# Altium PCB m-BLANC.PcbDoc (part 14 of 15) (continued)
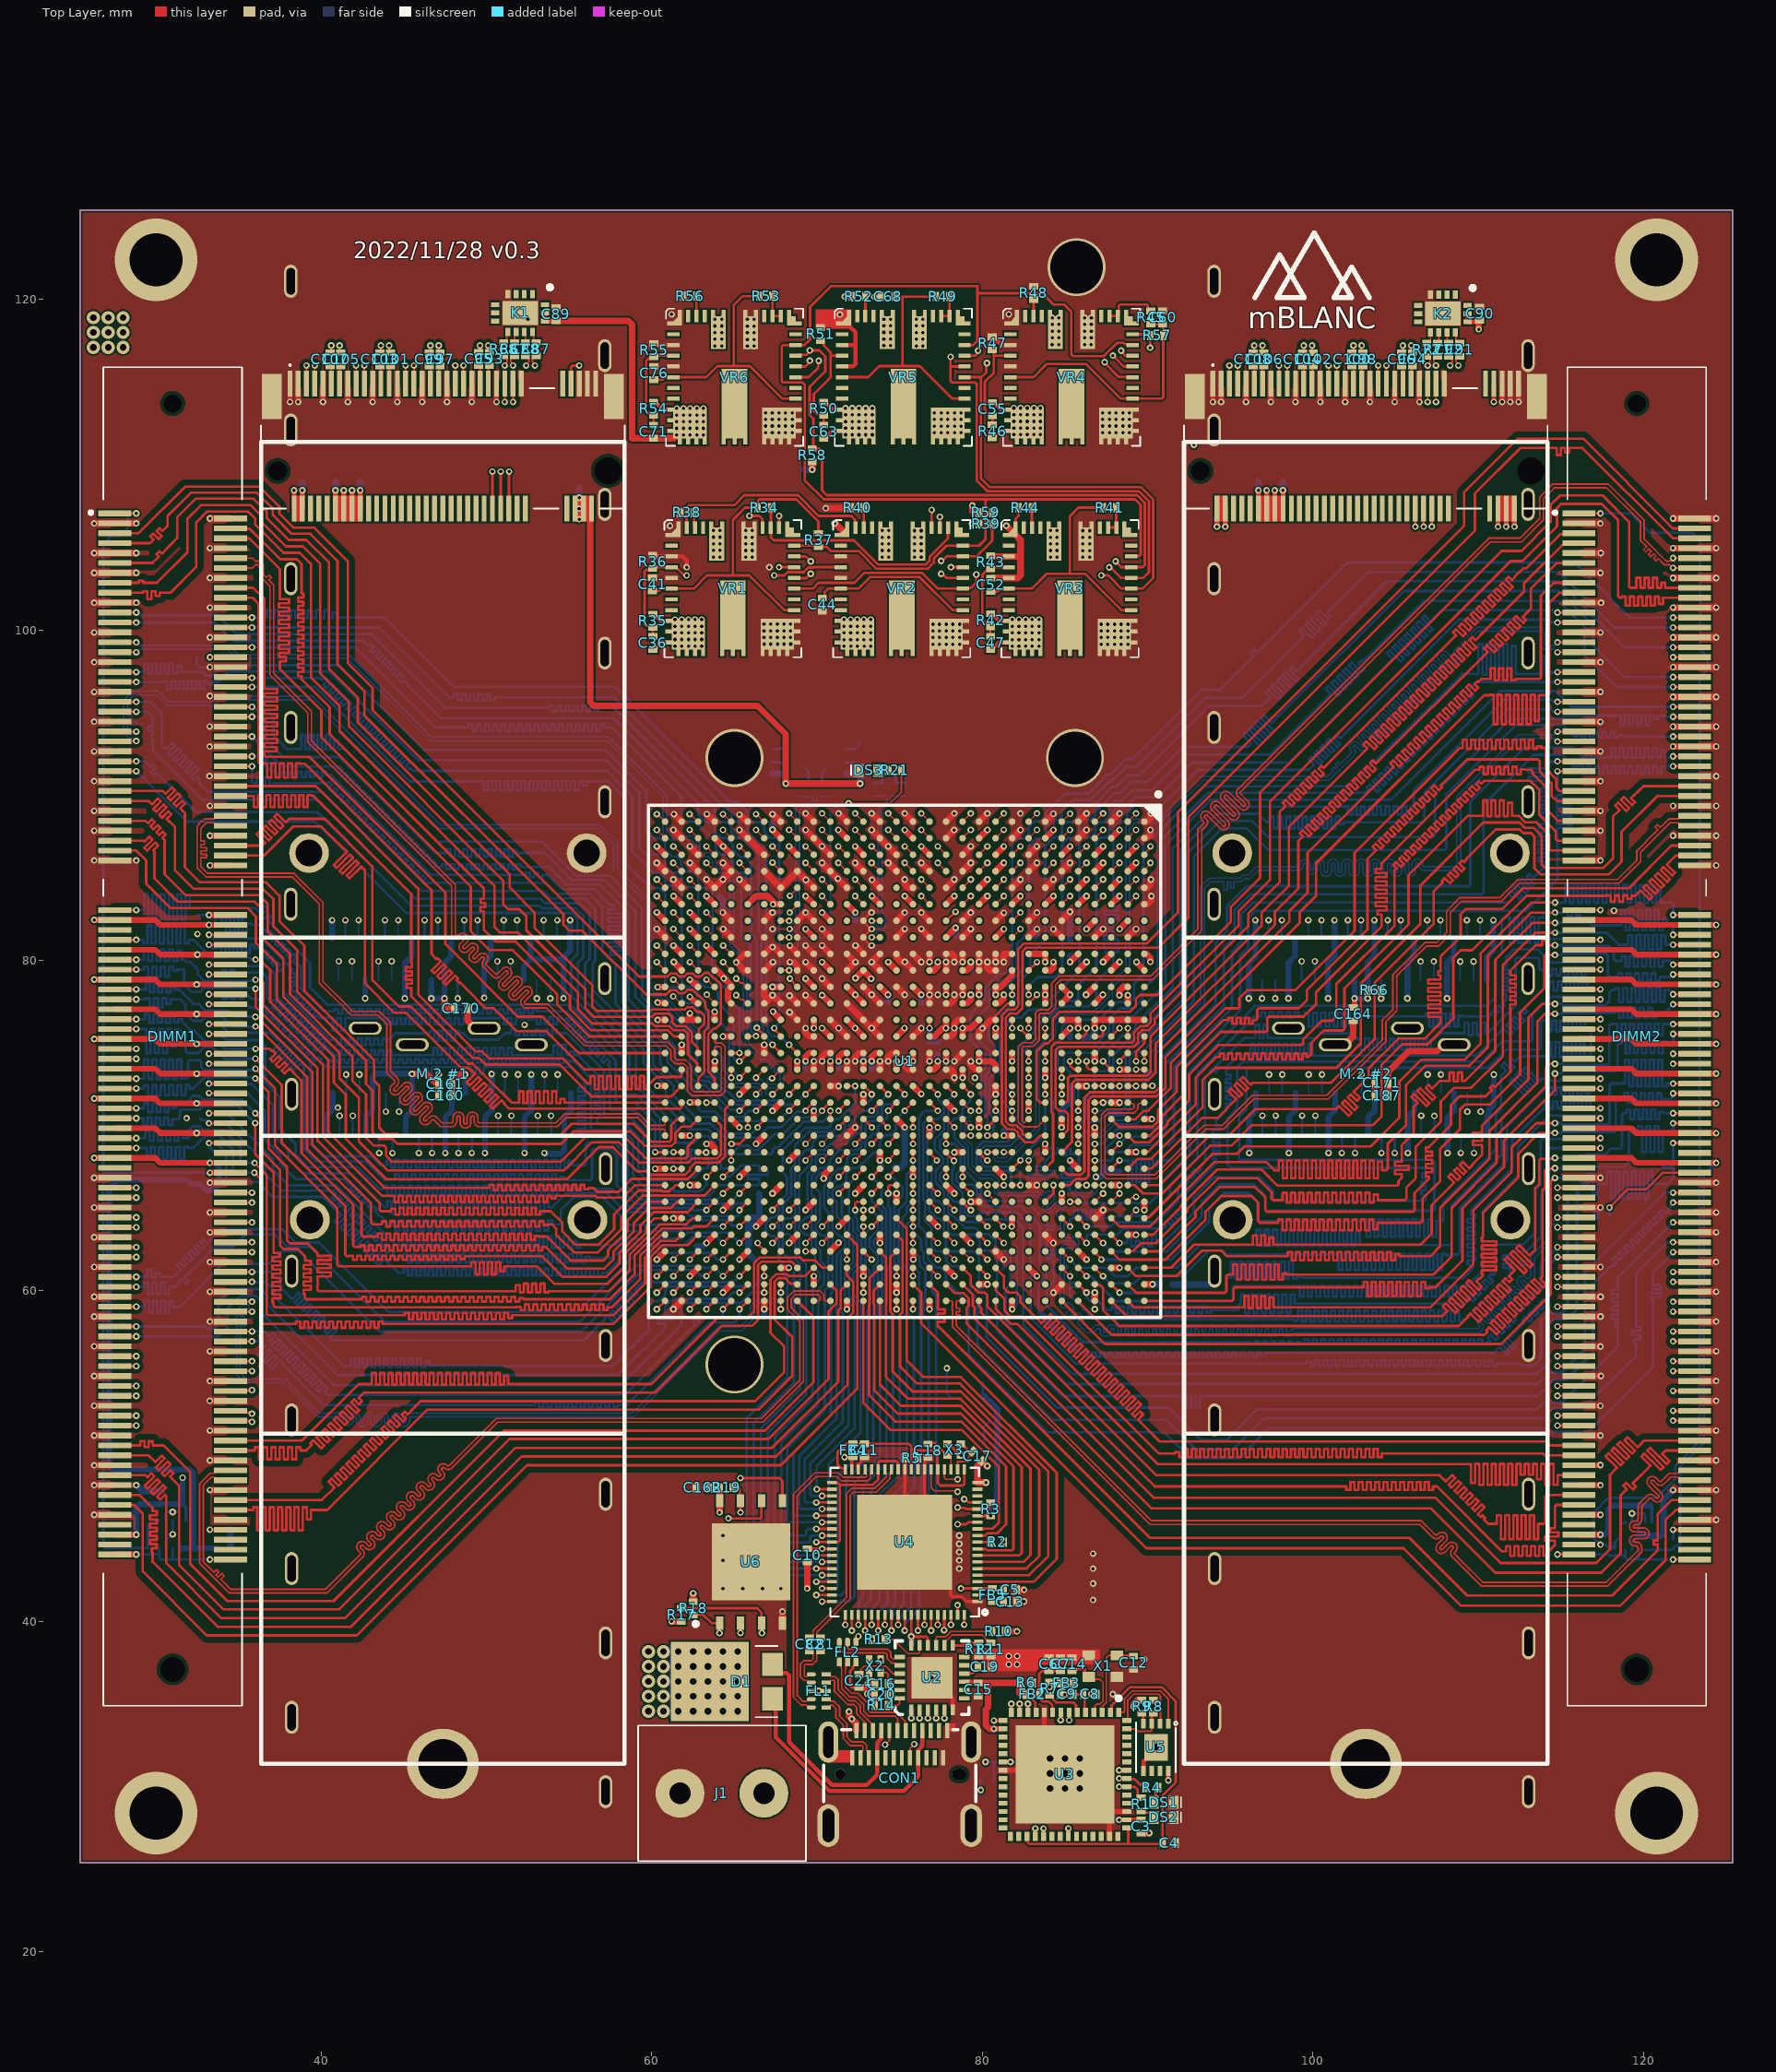
[diagram p0: Top Layer view]
## Nets (pads, with @x,y where several pads share a name; then routed paths per layer and width w, separated by ;. In a path a pad name is that pad's centre, name@x,y a point inside that pad or via, vN(x,y) a via of type N, cw(c..) or ccw(c..) an arc to the next point about the centre after c; other vN are vias at no path point) (continued)
  Bottom Layer w0.1: 41.5,71.98 v1(41.5,73.1)
QSFP4_RX2_P: "QSFP+ #4.22" U1.AG12 | length 38.8
  Top Layer w0.1: v1(63.325,77.936) 63.325,77.905 63.8,77.43 U1.AG12@63.8,77.4
  InLayer2 (Signal) w0.1: v1(42.3,73.1) 42.243,73.157 42.08,73.157 42.012,73.225 42.012,73.439 42.071,73.498 42.957,73.498 43.277,73.177 43.454,73 43.302,72.849 43.444,72.707 43.595,72.859 43.827,72.627 45.099,71.356 45.099,70.867 45.099,70.658 45.289,70.468 45.98,70.468 45.98,70.268 44.59,70.268 44.458,70.136 44.458,69.749 44.59,69.618 45.907,69.618 45.907,69.418 45.04,69.418 44.908,69.286 44.908,68.899 45.04,68.768 45.099,68.709 45.099,68.421 45.099,67.959 45.293,67.764 51.4,67.764 54.101,67.764 58.64,72.303 58.64,73.065 61.725,76.15 61.725,76.72 62.203,77.198 62.573,77.198 62.975,77.6 62.975,78.081 63.169,78.275 63.252,78.275 63.311,78.216 63.311,77.95 v1(63.325,77.936)
  Bottom Layer w0.1: 42.3,71.98 v1(42.3,73.1)
QSFP4_RX3_N: "QSFP+ #4.14" U1.AF9 | length 36.4
  Top Layer w0.1: v1(64.316,80.9) 64.316,80.892 64.8,80.408 U1.AF9@64.8,80.4
  InLayer2 (Signal) w0.1: v1(44.3,68.35) 44.243,68.293 44.08,68.293 44.013,68.225 44.013,67.557 44.053,67.516 44.071,67.499 44.169,67.499 44.401,67.499 44.591,67.308 44.591,67.28 44.791,67.28 44.791,67.422 44.923,67.554 45.309,67.554 45.441,67.422 45.441,67.254 45.641,67.254 45.641,67.422 45.773,67.554 46.159,67.554 46.291,67.422 46.291,67.254 46.491,67.254 46.491,67.422 46.623,67.554 47.009,67.554 47.141,67.422 47.141,67.254 47.341,67.254 47.341,67.422 47.473,67.554 47.859,67.554 47.991,67.422 47.991,67.254 48.191,67.254 48.191,67.422 48.323,67.554 48.709,67.554 48.841,67.422 48.841,67.254 49.041,67.254 49.041,67.422 49.173,67.554 49.559,67.554 49.691,67.422 49.691,67.254 49.891,67.254 49.891,67.422 50.023,67.554 50.409,67.554 50.541,67.422 50.541,67.254 50.741,67.254 50.741,67.422 50.873,67.554 51.259,67.554 51.391,67.422 51.391,67.254 51.591,67.254 51.591,67.308 51.782,67.499 51.991,67.499 53.5,67.499 54.313,67.499 59.159,72.345 59.159,73.155 62.68,76.677 62.68,77.022 63.136,77.477 63.377,77.477 63.741,77.841 63.741,79.173 63.664,79.25 63.34,79.25 63.15,79.44 63.15,80.322 63.34,80.513 63.626,80.513 63.676,80.513 63.676,80.796 63.876,80.796 63.876,80.513 64,80.513 64.257,80.513 64.316,80.571 v1(64.316,80.9)
  Bottom Layer w0.1: v1(44.3,68.35) 44.3,69.48
QSFP4_RX3_P: "QSFP+ #4.15" U1.AF10 | length 36.3
  Top Layer w0.1: v1(64.316,79.9) 64.316,79.892 64.8,79.408 U1.AF10@64.8,79.4
  InLayer2 (Signal) w0.1: v1(43.5,68.35) 43.557,68.293 43.72,68.293 43.787,68.225 43.787,67.464 43.978,67.274 44.053,67.274 44.169,67.274 44.308,67.274 44.366,67.215 44.366,67.187 44.498,67.055 44.884,67.055 45.016,67.187 45.016,67.329 45.216,67.329 45.216,67.161 45.348,67.029 45.734,67.029 45.866,67.161 45.866,67.329 46.066,67.329 46.066,67.161 46.198,67.029 46.584,67.029 46.716,67.161 46.716,67.329 46.916,67.329 46.916,67.161 47.048,67.029 47.434,67.029 47.566,67.161 47.566,67.329 47.766,67.329 47.766,67.161 47.898,67.029 48.284,67.029 48.416,67.161 48.416,67.329 48.616,67.329 48.616,67.161 48.748,67.029 49.134,67.029 49.266,67.161 49.266,67.329 49.466,67.329 49.466,67.161 49.598,67.029 49.984,67.029 50.116,67.161 50.116,67.329 50.316,67.329 50.316,67.161 50.448,67.029 50.834,67.029 50.966,67.161 50.966,67.329 51.166,67.329 51.166,67.161 51.298,67.029 51.684,67.029 51.816,67.161 51.816,67.215 51.875,67.274 51.991,67.274 52.7,67.274 52.95,67.274 52.95,67.204 53.15,67.204 53.15,67.274 53.5,67.274 54.406,67.274 59.384,72.252 59.384,73.062 62.905,76.584 62.905,76.929 63.229,77.252 63.471,77.252 63.966,77.748 63.966,79.266 63.757,79.475 63.434,79.475 63.375,79.534 63.375,80.229 63.434,80.288 63.626,80.288 64.236,80.288 64.295,80.229 64.295,79.921 v1(64.316,79.9)
  Bottom Layer w0.1: v1(43.5,68.35) 43.5,69.48
QSFP4_RX4_N: "QSFP+ #4.24" U1.AE11 | length 39.5
  Top Layer w0.1: v1(65.102,78.9) 65.373,78.63 65.535,78.63 65.764,78.4 U1.AE11@65.8,78.4
  InLayer2 (Signal) w0.1: v1(43.9,70.85) 43.957,70.907 44.12,70.907 44.187,70.975 44.187,71.357 43.965,71.58 42.991,71.58 42.72,71.309 42.72,70.805 42.72,70.689 42.779,70.63 42.913,70.63 43.044,70.499 43.044,70.112 42.913,69.98 42.365,69.98 42.365,69.78 42.53,69.78 42.72,69.59 42.72,69.315 42.72,69.084 42.933,69.084 42.933,68.884 42.72,68.884 42.72,68.684 42.933,68.684 42.933,68.484 42.72,68.484 42.72,68.284 42.933,68.284 42.933,68.084 42.72,68.084 42.72,67.88 42.766,67.834 43.771,66.829 54.382,66.829 59.7,72.147 59.7,72.773 61.413,74.485 61.88,74.485 62.15,74.755 62.15,75.229 63.471,76.55 63.945,76.55 64.15,76.755 64.15,77.35 64.399,77.599 64.399,78.247 64.665,78.513 64.986,78.513 65.045,78.571 65.045,78.843 v1(65.102,78.9)
  Bottom Layer w0.1: v1(43.9,70.85) 43.9,71.98
QSFP4_RX4_P: "QSFP+ #4.25" U1.AE12 | length 39.6
  Top Layer w0.1: v1(65.102,77.9) 65.373,77.63 65.535,77.63 65.764,77.4 U1.AE12@65.8,77.4
  InLayer2 (Signal) w0.1: v1(44.7,70.85) 44.643,70.907 44.48,70.907 44.412,70.975 44.412,71.451 44.058,71.805 43.708,71.805 43.429,71.805 43.429,71.877 43.229,71.877 43.229,71.805 43.179,71.805 42.898,71.805 42.495,71.403 42.495,70.805 42.495,70.596 42.686,70.405 42.819,70.405 42.819,70.205 42.272,70.205 42.14,70.074 42.14,69.687 42.272,69.555 42.437,69.555 42.495,69.497 42.495,69.315 42.495,67.786 43.678,66.604 54.476,66.604 59.925,72.053 59.925,72.679 61.506,74.26 61.974,74.26 62.375,74.662 62.375,75.135 63.565,76.325 64.038,76.325 64.375,76.662 64.375,77.257 64.624,77.506 64.624,78.153 64.759,78.288 64.986,78.288 65.045,78.229 65.045,77.957 v1(65.102,77.9) v1@65.045,77.843
  Bottom Layer w0.1: v1(44.7,70.85) 44.7,71.98
QSFP4_TX1_N: "QSFP+ #4.37" U1.AJ11 | length 36.8
  Top Layer w0.1: v1(61.299,78.838) 61.33,78.838 61.768,78.4 U1.AJ11@61.8,78.4
  InLayer2 (Signal) w0.1: v1(54.3,73.1) 54.243,73.043 54.08,73.043 54.013,72.975 54.013,72.799 53.186,71.973 53.113,71.9 53.07,71.9 53.011,71.841 53.011,71.233 52.88,71.101 52.493,71.101 52.361,71.233 52.361,72.523 52.161,72.523 52.161,71.082 52.03,70.95 51.643,70.95 51.511,71.082 51.511,72.093 51.311,72.093 51.311,72.09 51.121,71.9 51.119,71.9 50.91,71.9 49.6,71.9 48.772,71.9 48.772,71.747 48.572,71.747 48.572,71.9 48.372,71.9 48.372,71.67 48.172,71.67 48.172,71.9 47.922,71.9 46.906,71.9 46.847,71.841 46.847,71.759 47.315,71.291 47.397,71.209 47.48,71.209 47.607,71.337 47.794,71.337 48.067,71.064 48.067,70.877 47.939,70.749 47.939,70.667 48.185,70.42 48.267,70.338 48.959,69.647 54.232,69.647 56.972,72.387 56.972,73.5 59.765,76.294 59.765,77.741 60.061,78.036 60.716,78.036 60.775,78.095 60.775,78.322 60.965,78.513 61.241,78.513 61.241,78.781 v1(61.299,78.838)
  Bottom Layer w0.1: 54.3,71.98 v1(54.3,73.1)
QSFP4_TX1_P: "QSFP+ #4.36" U1.AJ12 | length 36.9
  Top Layer w0.1: v1(61.289,77.829) 61.33,77.829 61.759,77.4 U1.AJ12@61.8,77.4
  InLayer2 (Signal) w0.1: v1(53.5,73.1) 53.557,73.043 53.72,73.043 53.787,72.975 53.787,72.893 53.487,72.592 53.4,72.505 53.31,72.596 53.168,72.455 53.259,72.364 53.224,72.329 53.186,72.291 53.02,72.125 52.977,72.125 52.786,71.935 52.786,71.326 52.586,71.326 52.586,72.616 52.455,72.748 52.068,72.748 51.936,72.616 51.936,71.175 51.736,71.175 51.736,72.186 51.605,72.318 51.218,72.318 51.086,72.186 51.086,72.184 51.028,72.125 50.909,72.125 46.813,72.125 46.622,71.935 46.622,71.665 47.156,71.132 47.238,71.05 47.304,70.984 47.573,70.984 47.701,71.112 47.842,70.97 47.714,70.843 47.714,70.573 48.026,70.261 48.108,70.179 48.865,69.422 54.325,69.422 57.197,72.294 57.197,73.407 59.99,76.201 59.99,77.647 60.154,77.811 60.81,77.811 61,78.001 61,78.229 61.059,78.288 61.241,78.288 61.3,78.229 61.3,77.839 v1(61.289,77.829)
  Bottom Layer w0.1: 53.5,71.98 v1(53.5,73.1)
QSFP4_TX2_N: "QSFP+ #4.2" U1.AK9 | length 34.8
  Top Layer w0.1: v1(60.3,80.9) U1.AK9@60.8,80.4
  InLayer2 (Signal) w0.1: v1(53.9,70.6) 53.843,70.657 53.68,70.657 53.612,70.725 53.612,71.171 53.612,71.294 53.699,71.381 53.704,71.386 53.704,71.655 53.586,71.772 53.728,71.914 54.453,71.188 54.64,71.188 54.913,71.461 54.913,71.647 54.224,72.337 54.365,72.478 55.055,71.789 55.241,71.789 55.514,72.062 55.514,72.248 54.888,72.875 55.029,73.016 55.537,72.509 55.723,72.509 55.996,72.782 55.996,72.968 55.683,73.282 55.683,73.365 56.108,73.79 56.108,74.059 55.72,74.447 55.862,74.588 56.361,74.088 56.548,74.088 56.821,74.362 56.821,74.548 56.321,75.048 56.463,75.189 56.962,74.689 57.149,74.689 57.422,74.963 57.422,75.149 56.722,75.849 56.863,75.991 57.563,75.291 57.75,75.291 58.023,75.564 58.023,75.75 57.16,76.613 57.301,76.754 58.052,76.003 58.322,76.003 58.77,76.452 58.77,76.677 58.77,77.027 58.58,77.218 58.151,77.218 58.151,77.418 59.001,77.418 59.132,77.549 59.132,77.936 59.001,78.068 58.517,78.068 58.517,78.268 59.001,78.268 59.132,78.399 59.132,78.786 59.001,78.918 58.829,78.918 58.77,78.976 58.77,79.092 58.77,79.17 58.875,79.275 ; 58.876,79.275 59.085,79.275 59.275,79.465 59.275,80.537 59.475,80.537 59.475,79.465 59.666,79.275 59.891,79.275 60.1,79.275 60.493,79.275 60.824,79.606 60.824,80.288 60.759,80.354 60.594,80.519 60.295,80.519 60.243,80.571 60.243,80.843 v1(60.3,80.9)
  Bottom Layer w0.1: 53.9,69.48 v1(53.9,70.6)
QSFP4_TX2_P: "QSFP+ #4.3" U1.AK10 | length 34.8
  Top Layer w0.1: v1(60.3,79.9) U1.AK10@60.8,79.4
  InLayer2 (Signal) w0.1: v1(53.1,70.6) 53.157,70.657 53.32,70.657 53.387,70.725 53.387,70.911 53.387,70.961 53.198,70.961 53.198,71.161 53.387,71.161 53.387,71.34 53.387,71.387 53.392,71.392 53.479,71.479 53.479,71.562 53.361,71.679 53.361,71.865 53.635,72.139 53.821,72.139 54.547,71.413 54.688,71.554 53.999,72.244 53.999,72.43 54.272,72.703 54.458,72.703 55.148,72.014 55.289,72.155 54.663,72.782 54.663,72.968 54.936,73.241 55.123,73.241 55.63,72.734 55.771,72.875 55.458,73.189 55.458,73.458 55.883,73.883 55.883,73.966 55.495,74.353 55.495,74.54 55.768,74.813 55.955,74.813 56.454,74.313 56.596,74.455 56.096,74.954 56.096,75.141 56.369,75.414 56.556,75.414 57.055,74.914 ; 57.055,74.914 57.197,75.056 56.497,75.756 56.497,75.942 56.77,76.216 56.956,76.216 57.656,75.516 57.798,75.657 56.935,76.52 56.935,76.706 57.208,76.979 57.395,76.979 58.146,76.228 58.228,76.228 58.545,76.545 58.545,76.677 58.545,76.934 58.486,76.993 58.058,76.993 57.926,77.124 57.926,77.511 58.058,77.643 58.907,77.643 58.907,77.843 58.424,77.843 58.292,77.974 58.292,78.361 58.424,78.493 58.907,78.493 58.907,78.693 58.735,78.693 58.545,78.883 58.545,79.092 58.545,79.263 58.782,79.5 58.876,79.5 58.992,79.5 59.05,79.559 59.05,80.63 59.182,80.762 59.569,80.762 59.7,80.63 59.7,79.559 59.759,79.5 59.891,79.5 60.1,79.5 60.4,79.5 60.599,79.699 60.599,80.195 60.501,80.294 60.307,80.294 60.243,80.229 60.243,79.957 v1(60.3,79.9)
  Bottom Layer w0.1: 53.1,69.48 v1(53.1,70.6)
QSFP4_TX3_N: "QSFP+ #4.34" U1.AJ7 | length 33.5
  Top Layer w0.1: v1(61.3,82.9) U1.AJ7@61.8,82.4
  InLayer2 (Signal) w0.1: v1(51.9,73.1) 51.843,73.043 51.68,73.043 51.613,72.975 51.613,72.709 51.422,72.518 46.33,72.518 46.14,72.709 46.14,74.11 46.33,74.3 48.096,74.3 48.809,74.3 48.999,74.11 48.999,73.757 49.199,73.757 49.199,74.223 49.331,74.354 49.718,74.354 49.849,74.223 49.849,73.757 50.049,73.757 50.049,74.223 50.181,74.354 50.568,74.354 50.699,74.223 50.699,73.775 50.899,73.775 50.899,74.11 51.09,74.3 51.299,74.3 54.654,74.3 56.025,75.671 56.025,76.397 56.667,77.04 57.867,78.239 57.867,80.503 58.839,81.475 60.666,81.475 60.725,81.534 60.725,82.172 61.044,82.491 61.22,82.491 61.3,82.571 v1(61.3,82.9)
  Bottom Layer w0.1: 51.9,71.98 v1(51.9,73.1)
QSFP4_TX3_P: "QSFP+ #4.33" U1.AJ8 | length 33.6
  Top Layer w0.1: v1(61.3,81.9) U1.AJ8@61.8,81.4
  InLayer2 (Signal) w0.1: v1(51.1,73.1) 51.157,73.043 51.32,73.043 51.387,72.975 51.387,72.802 51.329,72.743 46.424,72.743 46.365,72.802 46.365,74.016 46.424,74.075 48.096,74.075 48.716,74.075 48.774,74.016 48.774,73.664 48.906,73.532 49.293,73.532 49.424,73.664 49.424,74.129 49.624,74.129 49.624,73.664 49.756,73.532 50.143,73.532 50.274,73.664 50.274,74.129 50.474,74.129 50.474,73.682 50.606,73.55 50.993,73.55 51.124,73.682 51.124,74.016 51.183,74.075 51.299,74.075 54.748,74.075 56.25,75.578 56.25,76.304 56.761,76.815 58.092,78.146 58.092,80.28 58.092,80.351 58.234,80.492 58.431,80.294 58.573,80.436 58.345,80.663 58.487,80.805 58.712,80.58 58.853,80.721 58.628,80.946 58.932,81.25 59.076,81.25 60.76,81.25 60.95,81.44 60.95,82.079 61.137,82.266 61.22,82.266 61.279,82.208 61.279,81.921 v1(61.3,81.9)
  Bottom Layer w0.1: 51.1,71.98 v1(51.1,73.1)
QSFP4_TX4_N: "QSFP+ #4.5" U1.AG7 | length 36.7
  Top Layer w0.1: v1(63.3,82.9) U1.AG7@63.8,82.4
  InLayer2 (Signal) w0.1: v1(51.5,70.6) 51.443,70.657 51.28,70.657 51.213,70.725 51.213,71.11 51.022,71.3 49.086,71.3 48.896,71.11 48.896,70.145 49.086,69.954 54.15,69.954 56.468,72.273 56.468,73.408 59.557,76.497 59.557,78.716 59.616,78.775 60.741,78.775 61.154,79.188 61.629,79.188 61.905,79.464 61.905,81.216 61.964,81.275 64.914,81.275 65.104,81.465 65.104,84.194 64.914,84.384 64.453,84.384 64.35,84.384 64.35,84.393 64.15,84.393 64.15,84.384 64.1,84.384 63.865,84.384 63.675,84.194 63.675,82.571 63.616,82.513 63.359,82.513 63.3,82.571 v1(63.3,82.9)
  Bottom Layer w0.1: 51.5,69.48 v1(51.5,70.6)
QSFP4_TX4_P: "QSFP+ #4.6" U1.AG8 | length 44.6
  Top Layer w0.1: v1(63.3,81.9) U1.AG8@63.8,81.4
  InLayer2 (Signal) w0.1: v1(50.7,70.6) 50.757,70.657 50.92,70.657 50.988,70.725 50.988,71.016 50.929,71.075 49.179,71.075 49.121,71.016 49.121,70.238 49.179,70.179 54.057,70.179 56.243,72.366 56.243,73.501 59.332,76.59 59.332,78.81 59.523,79 60.647,79 61.06,79.413 61.536,79.413 61.68,79.557 61.68,81.31 61.871,81.5 64.82,81.5 64.879,81.559 64.879,82.105 ; v1(63.3,81.9) 63.3,82.229 63.359,82.288 63.71,82.288 63.9,82.478 63.9,84.1 63.959,84.159 64.82,84.159 64.879,84.1 64.879,83.968 ; 64.579,83.118 64.579,83.318 ; 64.579,83.118 64.879,83.118 ; 64.579,83.118 64.579,83.318 ; 64.579,83.118 64.879,83.118 ; 64.579,83.118 64.879,83.118 ; 64.579,83.118 64.579,83.318 ; 64.579,83.318 64.879,83.318 ; 64.579,83.318 64.879,83.318 ; 64.579,83.318 64.879,83.318 ; 64.579,83.518 64.579,83.718 ; 64.579,83.518 64.879,83.518 ; 64.579,83.518 64.579,83.718 ; 64.579,83.518 64.879,83.518 ; 64.579,83.518 64.879,83.518 ; 64.579,83.518 64.579,83.718 ; 64.579,83.718 64.879,83.718 ; 64.579,83.718 64.879,83.718 ; 64.579,83.718 64.879,83.718 ; 64.645,82.718 64.645,82.918 ; 64.645,82.718 64.879,82.718 ; 64.645,82.718 64.645,82.918 ; 64.645,82.718 64.879,82.718 ; 64.645,82.718 64.879,82.718 ; 64.645,82.718 64.645,82.918 ; 64.645,82.918 64.879,82.918 ; 64.645,82.918 64.879,82.918 ; 64.645,82.918 64.879,82.918 ; 64.719,82.318 64.879,82.318 ; 64.719,82.318 64.719,82.518 ; 64.719,82.318 64.879,82.318 ; 64.719,82.318 64.719,82.518 ; 64.719,82.318 64.879,82.318 ; 64.719,82.318 64.719,82.518 ; 64.719,82.518 64.879,82.518 ; 64.719,82.518 64.879,82.518 ; 64.719,82.518 64.879,82.518 ; 64.879,82.105 64.879,82.318 ; 64.879,82.105 64.879,82.318 ; 64.879,82.105 64.879,82.318 ; 64.879,82.518 64.879,82.718 ; 64.879,82.518 64.879,82.718 ; 64.879,82.518 64.879,82.718 ; 64.879,82.918 64.879,83.118 ; 64.879,82.918 64.879,83.118 ; 64.879,82.918 64.879,83.118 ; 64.879,83.318 64.879,83.518 ; 64.879,83.318 64.879,83.518 ; 64.879,83.318 64.879,83.518 ; 64.879,83.718 64.879,83.968 ; 64.879,83.718 64.879,83.968 ; 64.879,83.718 64.879,83.968
  Bottom Layer w0.1: 50.7,69.48 v1(50.7,70.6)
RxL: R1.2 U3.48 | length 1.9
  Top Layer w0.15: v1@88.272,30 88.273,30 88.747,30 89.2,30 89.4,29.8 89.4,29.499 89.4,29.411 89.525,29.286 R1.2@89.6,29.286
  other v1: 88.275,30
SS_RX_N: FL1.9 U4.34 | length 18.8
  Top Layer w0.1: FL1.9@69.65,35.3 69.504,35.3 69.366,35.163 69.137,35.163 68.795,35.505 68.795,47.618 69.945,48.767 71.202,48.767 71.47,48.5 73.022,48.5 73.212,48.69 73.212,48.912 73.3,49 U4.34@73.3,49.2
SS_RX_P: FL1.10 U4.35 | length 19.2
  Top Layer w0.1: FL1.10@69.65,34.8 69.504,34.8 69.366,34.937 69.044,34.937 68.57,35.412 68.57,47.711 69.852,48.992 71.295,48.992 71.563,48.725 72.929,48.725 72.987,48.784 72.987,48.913 72.9,49 U4.35@72.9,49.2
SS_TX_N: C81.2 FL1.6 | length 2.7
  Top Layer w0.1: FL1.6@69.65,36.8 69.504,36.8 69.366,36.662 69.279,36.662 69.22,36.721 69.22,37.341 69.279,37.399 69.736,37.399 69.98,37.643 69.98,38.162 C81.2@70.105,38.287
SS_TX_P: C82.2 FL1.7 | length 3.3
  Top Layer w0.1: C82.2@69.5,38.2 69.607,38.2 69.755,38.052 69.755,37.737 69.643,37.624 69.185,37.624 68.995,37.434 68.995,36.628 69.185,36.437 69.366,36.437 69.504,36.3 FL1.7@69.65,36.3 ; C82.2@69.511,38.35 C82.2@69.574,38.288 ; C82.2@69.674,38.287 C82.2@69.724,38.287
SSRX_N: CON1.B10 FL1.2 | length 5.2
  Top Layer w0.1: FL1.2@70.55,35.3 70.7,35.3 70.775,35.225 70.775,35.221 70.834,35.163 71.017,35.163 71.365,34.815 71.365,34.261 71.805,33.821 71.805,33.011 72.108,32.709 72.797,32.709 72.988,32.518 72.988,32.207 73.046,32.149 73.05,32.149 73.125,32.074 CON1.B10@73.125,31.749
SSRX_P: CON1.B11 FL1.1 | length 4.8
  Top Layer w0.1: FL1.1@70.55,34.8 70.7,34.8 70.775,34.875 70.775,34.879 70.834,34.937 70.924,34.937 71.14,34.722 71.14,34.168 71.58,33.727 71.58,32.918 72.014,32.484 72.704,32.484 72.763,32.425 72.763,32.207 72.704,32.149 72.7,32.149 72.625,32.074 CON1.B11@72.625,31.749
SSTX_N: CON1.A3 FL1.5 | length 4.9
  Top Layer w0.1: FL1.5@70.55,36.8 70.7,36.8 70.775,36.725 70.775,36.721 70.834,36.662 71.092,36.662 71.283,36.472 71.283,35.851 71.937,35.197 72.309,35.197 72.622,34.884 72.622,34.492 72.969,34.144 73.297,33.816 CON1.A3@73.297,33.468
SSTX_P: CON1.A2 FL1.4 | length 4.5
  Top Layer w0.1: FL1.4@70.55,36.3 70.7,36.3 70.775,36.375 70.775,36.379 70.834,36.437 70.999,36.437 71.058,36.379 71.058,35.758 71.844,34.972 72.216,34.972 72.397,34.791 72.397,34.399 72.698,34.098 72.861,33.935 CON1.A2@72.861,33.405
TOD_N: C81.1 U4.31 | length 13
  Top Layer w0.1: C81.1@70.105,38.913 69.978,39.04 69.978,39.348 70.392,39.761 72,41.37 72,47.634 72.191,47.825 73.581,47.825 74.412,48.657 74.412,48.912 74.5,49 U4.31@74.5,49.2
TOD_P: C82.1 U4.32 | length 13.1
  Top Layer w0.1: C82.1@69.511,38.85 69.574,38.913 C82.1@69.624,38.913 ; C82.1@69.713,38.913 69.753,38.953 69.753,39.441 70.298,39.986 71.775,41.463 71.775,47.727 72.098,48.05 73.487,48.05 74.187,48.75 74.187,48.913 74.1,49 U4.32@74.1,49.2
TxL: R4.2 U3.49 | length 1.8
  Top Layer w0.15: v1@88.272,30.5 88.273,30.5 88.747,30.5 88.778,30.469 89.184,30.469 89.512,30.141 89.699,30.141 89.824,30.016 R4.2@89.824,29.941
  other v1: 88.275,30.5
UART_RX: U1.H16 U3.33 | length 48.5
  Top Layer w0.15: v1(82.8,72.9) U1.H16@82.8,73.4 ; U3.33@83.697,27 83.698,27.002 83.698,27.473 v1(83.7,27.475)
  InLayer1 (GND) w0.1: v1(82.8,72.9) 82.201,72.301 82.201,71.592 82.509,71.284 83.411,71.284 83.65,71.045 83.65,69.55 84.1,69.1 84.1,69.095 84.15,69.045 84.15,67.133 83.75,66.733 83.75,36.49 83.727,36.467 83.522,36.263 83.351,36.091 83.35,31.701 83.35,29.515 83.7,29.165 v1(83.7,27.475)
UART_TX: U1.H15 U3.32 | length 51.2
  Top Layer w0.15: v1(82.8,73.9) U1.H15@82.8,74.4 ; U3.32@83.197,27 83.198,27.002 83.198,27.473 v1(83.2,27.475)
  InLayer1 (GND) w0.1: v1(82.8,73.9) 83.152,73.548 83.152,72.74 82.823,72.41 82.63,72.41 82.401,72.18 82.401,71.675 82.576,71.5 83.492,71.5 83.867,71.124 83.867,69.616 84.35,69.133 84.35,67.05 83.95,66.65 83.95,36.407 83.936,36.394 83.722,36.18 83.551,36.008 83.551,31.726 ; v1(83.2,27.475) 83.257,27.418 83.257,27.283 83.416,27.125 83.895,27.125 84.1,27.33 84.1,27.7 83.9,27.9 83.9,29.248 83.55,29.598 83.55,31.725
USBD_N: CON1.A7 FL2.2 | length 6.9
  Top Layer w0.1: FL2.2@71.845,37.597 71.749,37.501 71.749,37.178 71.708,37.137 71.708,36.027 72.085,35.65 72.456,35.65 73.047,35.06 73.047,34.668 73.218,34.496 74.803,34.496 75.365,33.935 75.365,33.401 CON1.A7@75.372,33.393
USBD_P: CON1.A6 FL2.1 | length 6.8
  Top Layer w0.1: FL2.1@71.345,37.55 71.44,37.455 71.44,37.186 71.483,37.143 71.483,35.934 71.992,35.425 72.363,35.425 72.822,34.967 72.822,34.575 73.125,34.271 74.71,34.271 74.872,34.109 CON1.A6@74.872,33.393
VIN: C34.2 C35.2 C42.2 C43.2 C45.2 C46.2 C53.2 C54.2 C61.2 C62.2 C69.2 C70.2 D1.3 D2.1 R39.2 VR1.40 VR1.41 VR2.40 VR2.41 VR3.40 VR3.41 VR4.40 VR4.41 VR5.40 VR5.41 VR6.40 VR6.41 | length 4.6
  Top Layer w0.15: v1(63.82,117.187) 64.025,117.392 VR6.40@64.025,117.795 ; v1(63.82,117.589) VR6.40@64.025,117.795 ; v1(63.82,117.992) VR6.40@64.025,117.993 ; v1(63.82,118.797) v1(63.82,118.395) 63.82,118.198 VR6.40@64.025,117.993 ; v1(64.221,117.187) v1(64.221,117.589) 64.221,117.797 VR6.40@64.025,117.993 ; v1(64.221,117.992) VR6.40@64.025,117.993 ; v1(64.221,118.395) 64.025,118.199 VR6.40@64.025,117.993 ; v1(64.221,118.797) 64.35,118.927 VR6.40@64.35,118.993 VR6.40@64.35,119.068 ; v1(79.371,106.417) 79.801,106.417 R39.2@79.803,106.415 ; VR6.40@64.025,117.795 VR6.40@64.025,117.993
  other v1: 73.939,104.404 74.34,104.404 84.123,104.404 84.524,104.404 63.717,104.409 64.118,104.409 63.717,104.812 64.118,104.812 73.939,104.807 74.34,104.807 84.123,104.807 84.524,104.807 63.717,105.215 64.118,105.215 73.939,105.21 74.34,105.21 84.123,105.21 84.524,105.21 63.717,105.618 64.118,105.618 73.939,105.613 74.34,105.613 84.123,105.612 84.524,105.612 63.717,106.02 64.118,106.02 73.939,106.015 74.34,106.015 84.123,106.015 84.524,106.015 74.038,117.198 74.439,117.198 84.221,117.276 84.622,117.276 74.038,117.601 74.439,117.601 84.226,117.676 84.627,117.676 74.038,118.004 74.439,118.004 84.226,118.079 84.627,118.079 74.038,118.407 74.439,118.407 84.226,118.482 84.627,118.482 74.038,118.809 74.439,118.809 84.226,118.884 84.627,118.884
  other v2: 59.797,34.572 60.697,34.572 61.597,34.572 62.497,34.572 63.397,34.572 64.297,34.572 65.197,34.572 59.797,35.472 60.697,35.472 61.597,35.472 62.497,35.472 63.397,35.472 64.297,35.472 65.197,35.472 59.797,36.372 60.697,36.372 61.597,36.372 62.497,36.372 63.397,36.372 64.297,36.372 65.197,36.372 59.797,37.272 60.697,37.272 61.597,37.272 62.497,37.272 63.397,37.272 64.297,37.272 65.197,37.272 59.797,38.172 60.697,38.172 61.597,38.172 62.497,38.172 63.397,38.172 64.297,38.172 65.197,38.172 26.2,117.1 27.1,117.1 28,117.1 26.2,118 27.1,118 28,118 26.2,118.9 27.1,118.9 28,118.9
pads on no net: "M.2 #1.6" "M.2 #1.8" "M.2 #1.10" "M.2 #1.20" "M.2 #1.22" "M.2 #1.24" "M.2 #1.26" "M.2 #1.28" "M.2 #1.30" "M.2 #1.32" "M.2 #1.34" "M.2 #1.36" "M.2 #1.38" "M.2 #1.40" "M.2 #1.42" "M.2 #1.44" "M.2 #1.46" "M.2 #1.48" "M.2 #1.56" "M.2 #1.58" "M.2 #1.67" "M.2 #1.68" "M.2 #1.MH1" "M.2 #1.MH2" "M.2 #2.6" "M.2 #2.8" "M.2 #2.10" "M.2 #2.20" "M.2 #2.22" "M.2 #2.24" "M.2 #2.26" "M.2 #2.28" "M.2 #2.30" "M.2 #2.32" "M.2 #2.34" "M.2 #2.36" "M.2 #2.38" "M.2 #2.40" "M.2 #2.42" "M.2 #2.44" "M.2 #2.46" "M.2 #2.48" "M.2 #2.56" "M.2 #2.58" "M.2 #2.67" "M.2 #2.68" "M.2 #2.MH1" "M.2 #2.MH2" "QSFP+ #1.27" "QSFP+ #1.31" "QSFP+ #2.27" "QSFP+ #2.31" "QSFP+ #3.27" "QSFP+ #3.31" "QSFP+ #4.27" "QSFP+ #4.31" CON1. CON1.A8 CON1.A10 CON1.A11 CON1.B2 CON1.B3 CON1.B6 CON1.B7 CON1.B8 DIMM1.77 DIMM1.122 DIMM1.125 DIMM1.197 DIMM1.200 DIMM1.201 DIMM1.202 DIMM1.MH1 DIMM1.MH2 DIMM2.77 DIMM2.122 DIMM2.125 DIMM2.197 DIMM2.200 DIMM2.201 DIMM2.202 DIMM2.MH1 DIMM2.MH2 K1.1 K1.2 K1.3 K1.5 K1.6 K1.7 K1.14 K2.1 K2.2 K2.3 K2.5 K2.6 K2.7 K2.14 U1.A7 U1.A8 U1.A11 U1.A12 U1.AA22 U1.AA23 U1.AB14 U1.AB19 U1.AB20 U1.AB22 U1.AB23 U1.AB27 U1.AC19 U1.AC20 U1.AC21 U1.AC22 U1.AC27 U1.AD5 U1.AD6 U1.AD21 U1.AD22 U1.AD23 U1.AD24 U1.AD26 U1.AE7 U1.AE8 U1.AE21 U1.AF5 U1.AF6 U1.AF17 U1.AF20 U1.AG20 U1.B9 U1.B10 U1.C7 U1.C8 U1.C11 U1.C12 U1.C15 U1.D9 U1.D10 U1.E7 U1.E8 U1.E11 U1.E12 U1.E21 U1.F9 U1.F10 U1.F15 U1.F26 U1.G7 U1.G8 U1.G13 U1.G23 U1.G25 U1.G27 U1.G28 U1.G29 U1.G30 U1.H5 U1.H6 U1.H21 U1.H24 U1.H25 U1.H26 U1.H27 U1.H29 U1.H30 U1.J14 U1.J16 U1.J17 U1.J24 U1.J26 U1.J27 U1.J28 U1.J29 U1.L7 U1.L8 U1.L17 U1.L20 U1.L22 U1.M25 U1.P22 U1.R7 U1.R8 U1.R12 U1.R13 U1.T5 U1.T6 U1.T12 U1.T13 U1.W7 U1.W8 U1.W24 U1.Y23 U1.Y24 U2.7 U2.8 U2.11 U2.12 U3.17 U3.18 U3.19 U3.22 U3.23 U3.24 U3.25 U3.26 U3.27 U3.28 U3.29 U3.30 U3.34 U3.35 U3.37 U3.38 U3.39 U3.40 U3.42 U3.46 U3.47 U3.51 U3.52 U3.53 U3.54 U4.17 U4.18 U5.6 U5.7 VR1.2 VR1.7 VR1.8 VR1.16 VR1.17 VR1.18 VR1.27 VR1.33 VR1.34 VR1.42 VR2.2 VR2.7 VR2.8 VR2.16 VR2.17 VR2.18 VR2.27 VR2.33 VR2.34 VR2.42 VR3.2 VR3.7 VR3.8 VR3.16 VR3.17 VR3.18 VR3.27 VR3.32 VR3.33 VR3.34 VR3.37 VR3.42 VR3.44 VR4.2 VR4.7 VR4.8 VR4.16 VR4.17 VR4.18 VR4.27 VR4.33 VR4.34 VR4.37 VR4.42 VR4.44 VR5.2 VR5.7 VR5.8 VR5.16 VR5.17 VR5.18 VR5.27 VR5.32 VR5.33 VR5.34 VR5.37 VR5.42 VR5.44 VR6.2 VR6.7 VR6.8 VR6.16 VR6.17 VR6.18 VR6.27 VR6.32 VR6.33 VR6.34 VR6.37 VR6.42 VR6.44 Y2.2 Y3.2

## Polygon pours and split planes (outlines as drawn)
GND on InLayer3 (PWR) "GND-InLayer3" (solid, remove dead copper, pour order 133): 25.4,125.4 125.4,125.4 125.4,25.4 25.4,25.4
VIN on InLayer3 (PWR) "VIN_L04_P107" (solid, pour order 107): 28.878,119.8 25.4,119.8 25.4,38.4 28.828,38.4
1.35V on InLayer3 (PWR) "1.35V_L04_P004" (solid, pour order 4): 61.6,74.1 61.6,71.413 92.086,71.391 92.086,74.1
1.35V on InLayer3 (PWR) "1.35V_L04_P131" (solid, pour order 131): 34,69.808 34,68.126 40.752,68.126 40.752,69.801
1.35V on InLayer3 (PWR) "1.35V_L04_P129" (solid, pour order 129): 62.103,74.098 60.424,74.098 60.424,68.635 62.098,68.635
1.35V on InLayer3 (PWR) "1.35V_L04_P125" (solid, pour order 125): 87.295,59.5 89.3,59.5 89.3,71.8 87.307,71.8
1.35V on InLayer3 (PWR) "1.35V_L04_P124" (solid, pour order 124): 62.095,68.625 62.095,70.321 39.5,70.321 39.5,68.648
1.35V on InLayer3 (PWR) "1.35V_L04_P123" (solid, pour order 123): 93.22,110.8 90.8,110.8 90.8,71.348 93.18,71.348
3.3V on InLayer3 (PWR) "3.3V_L04_P122" (solid, pour order 122): 97.103,115.745 94.8,115.745 94.8,107.6 97.095,107.6
VIN on InLayer3 (PWR) "VIN_L04_P117" (solid, pour order 117): 25.4,41.642 25.4,38.2 35.4,38.2 35.4,41.636
VIN on InLayer3 (PWR) "VIN_L04_P078" (solid, pour order 78): 32.3,38.346 32.3,34.9 65.3,34.9 65.3,38.325
3.3V on InLayer3 (PWR) "3.3V_L04_P075" (solid, pour order 75): 51.4,53.617 51.4,50.3 75.7,50.3 75.7,53.592
3.3V on InLayer3 (PWR) "3.3V_L04_P074" (solid, pour order 74): 29.6,56.612 29.6,53.4 55,53.4 55,56.586
3.3V on InLayer3 (PWR) "3.3V_L04_P073" (solid, pour order 73): 32.878,109 29.364,109 29.364,53.4 32.843,53.4
3.3V on InLayer3 (PWR) "3.3V_L04_P067" (solid, pour order 67): 67.101,77.389 67.101,76.413 90.082,76.413 90.082,107.691 81.5,107.691 81.5,114 80.3,114 80.3,106.6 88.806,106.6 88.806,77.389
3.3V on InLayer3 (PWR) "3.3V_L04_P066" (solid, pour order 66): 72.6,71.4 76.06,71.4 76.06,40.4 72.6,40.4
GND on InLayer3 (PWR) "GND_L04_P065" (solid, remove dead copper, pour order 65): 66.999,83.3 85.1,83.3 85.1,79.6 67,79.6
3.3V on InLayer3 (PWR) "3.3V_L04_P064" (solid, pour order 64): 97.103,115.745 94.8,115.745 94.8,107.6 97.095,107.6
3.3V on InLayer3 (PWR) "3.3V_L04_P063" (solid, pour order 63): 61.2,115.922 61.2,113.8 97.1,113.8 97.1,115.886
3.3V on InLayer3 (PWR) "3.3V_L04_P057" (solid, pour order 57): 94.902,108.4 93.995,108.4 93.995,106.037 94.899,106.037
3.3V on InLayer3 (PWR) "3.3V_L04_P051" (solid, pour order 51): 112.398,109.3 111,109.3 111,105.9 112.394,105.9
3.3V on InLayer3 (PWR) "3.3V_L04_P050" (solid, pour order 50): 63.413,110.5 56.544,110.5 56.544,108.9 53.2,108.9 53.2,113.6 63.4,113.6
3.3V on InLayer3 (PWR) "3.3V_L04_P049" (solid, pour order 49): 112.397,107.582 112.397,109.3 94.8,109.3 94.8,107.6
3.3V on InLayer3 (PWR) "3.3V_L04_P048" (solid, pour order 48): 56.547,105.485 56.547,109 29.9,109 29.9,105.512
1.35V on InLayer3 (PWR) "1.35V_L04_P032" (solid, pour order 32): 62.095,68.601 62.095,70.684 39,70.684 39,68.625
1.35V on InLayer3 (PWR) "1.35V_L04_P031" (solid, pour order 31): 32.945,67.4 34.7,67.4 34.7,82.5 32.96,82.5
1.35V on InLayer3 (PWR) "1.35V_L04_P029" (solid, pour order 29): 122.415,67.479 124.422,67.479 124.422,84.5 122.432,84.5
1.35V on InLayer3 (PWR) "1.35V_L04_P028" (solid, pour order 28): 81.7,110.805 81.7,107.8 91.2,107.8 91.2,110.796
1.35V on InLayer3 (PWR) "1.35V_L04_P026" (solid, pour order 26): 92.921,110.8 90.18,110.8 90.18,71.348 92.881,71.348
1.35V on InLayer3 (PWR) "1.35V_L04_P025" (solid, pour order 25): 78.1,66.356 78.1,65.441 81.9,65.441 81.9,66.352
1.35V on InLayer3 (PWR) "1.35V_L04_P021" (solid, pour order 21): 76.6,59.304 76.6,58.5 83.857,58.5 83.857,59.296
1.35V on InLayer3 (PWR) "1.35V_L04_P020" (solid, pour order 20): 61.1,62.1 61.1,61 66.1,61 66.1,57.5 67,57.5 67,60.1 70.9,60.1 70.9,60.7 69.6,60.7 69.6,71.564 67.1,71.564 67.1,62.1
1.2V on InLayer3 (PWR) "1.2V_L04_P019" (solid, pour order 19): 79.3,100.894 83.705,100.894 83.705,86.3 79.3,86.3
1.0V on InLayer3 (PWR) "1.0V_L04_P018" (solid, pour order 18): 81.5,75.6 81.5,74.226 66.8,74.226 66.8,75.6
1.0V on InLayer3 (PWR) "1.0V_L04_P017" (solid, pour order 17): 88.7,79.589 88.7,78.227 66.8,78.227 66.8,79.589